# KiCad board minifoc esc.kicad_pcb
title: MUREX MINIFOC ESC; date: 2024-11-05; rev: V1.0; company: MUREX ROBOTICS [Max Liu]; note: // TECH FOR ALL; note: // THINK DIFFERENT; note: and custom microcontroller design + firmware; note: World's smallest, highest power density sensorless FOC ESC utilizing the DRV8316C
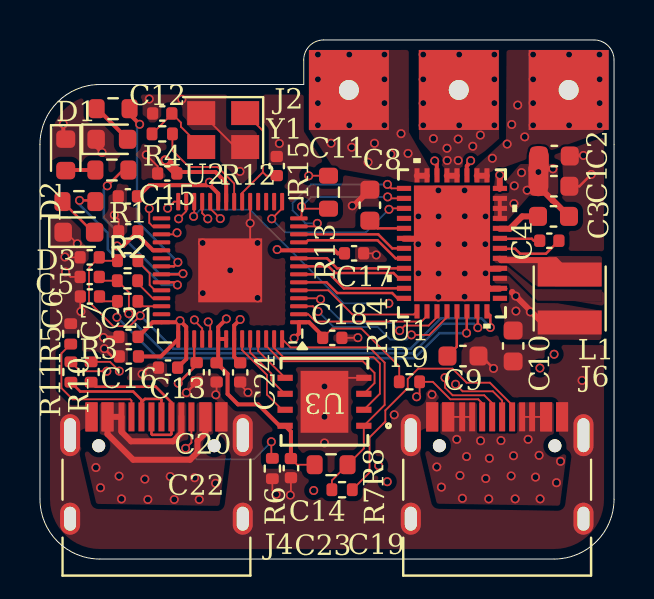
[diagram p0: board, top side]
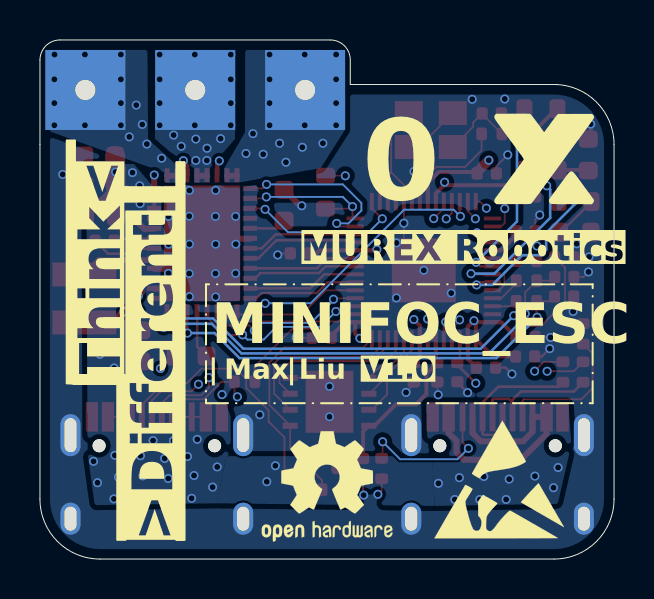
[diagram p1: board, bottom side, seen from below]

Outline 28.73 x 25.98 mm; copper layers: Top, In1.Cu, In2.Cu, Bottom. Coordinates in mm from the lower left corner of the outline.
Outline path: 0,20.75 arc(0.88,22.87) 3,23.75 13.2,23.75 13.2,24.98 arc(13.49,25.69) 14.2,25.98 27.73,25.98 arc(28.44,25.69) 28.73,24.98 28.73,3 arc(27.85,0.88) 25.73,0 3,0 arc(0.88,0.88) 0,3 0,20.75
Stack: Top 0.035mm / dielectric 0.1mm FR4 er 4.5 / In1.Cu 0.035mm / dielectric 1.24mm FR4 er 4.5 / In2.Cu 0.035mm / dielectric 0.1mm FR4 er 4.5 / Bottom 0.035mm

## Placement (name value [footprint] x y rotation side)
C1  0.1uF  [C_0603_1608Metric]  25.72 18.66 0 top
C2  10uF  [C_0603_1608Metric]  25.74 20.17 0 top
C3  1uF  [C_0603_1608Metric]  25.7 17.15 180 top
C4  47nF  [C_0402_1005Metric]  25.49 15.93 0 top
C5  30pF  [C_0402_1005Metric]  2.49 15.1 180 top
C6  30pF  [C_0402_1005Metric]  2.49 14.12 180 top
C7  30pF  [C_0402_1005Metric]  2.5 13.14 180 top
C8  1uF  [C_0603_1608Metric]  16.51 17.71 90 top
C9  1uF  [C_0603_1608Metric]  21.17 10.16 0 top
C10  22uF  [C_0603_1608Metric]  23.68 10.67 270 top
C11  27pF  [C_0402_1005Metric]  11.85 19.67 270 top
C12  27pF  [C_0402_1005Metric]  6.12 22.3 0 top
C13  1uF  [C_0402_1005Metric]  7.84 9.35 270 top
C14  1uF  [C_0402_1005Metric]  12.56 4.55 270 top
C15  0.1uF  [C_0402_1005Metric]  6.37 19.3 180 top
C16  0.1uF  [C_0402_1005Metric]  4.45 10.14 180 top
C17  0.1uF  [C_0402_1005Metric]  15.72 15.3 0 top
C18  0.1uF  [C_0402_1005Metric]  14.63 11.07 0 top
C19  0.1uF  [C_0402_1005Metric]  4.42 16.4 180 top
C20  0.1uF  [C_0402_1005Metric]  8.84 9.34 270 top
C21  1uF  [C_0402_1005Metric]  4.43 11.12 180 top
C22  1uF  [C_0402_1005Metric]  6.41 9.58 180 top
C23  0.1uF  [C_0402_1005Metric]  4.4 18.15 180 top
C24  0.1uF  [C_0402_1005Metric]  10.02 9.34 270 top
D1  LED_Small  [LED_0603_1608Metric]  3.6 21.01 0 top
D2  LED_Small  [LED_0603_1608Metric]  1.29 20.23 270 top
D3  LED_Small  [LED_0603_1608Metric]  1.95 16.36 0 top
G***  LOGO  [10x10mm_Branding]  3.53 20.08 180 bottom
J2  Conn_01x03  [ESC]  20.96 25.51 180 top
J4  USB_C_Receptacle_USB2.0_16P  [USB_C_Receptacle_HRO_TYPE-C-31-M-12]  5.83 3.07 0 top
J6  USB_C_Receptacle_USB2.0_16P  [USB_C_Receptacle_HRO_TYPE-C-31-M-12]  22.88 3.07 0 top
L1  47uH  [SMNR3012-470MT]  26.51 13.04 90 top
R1  1k  [R_0402_1005Metric]  4.39 14.93 0 top
R2  1k  [R_0402_1005Metric]  4.38 13.93 0 top
R3  1k  [R_0402_1005Metric]  4.39 12.9 0 top
R4  1k  [R_0402_1005Metric]  6.12 21.28 180 top
R5  5.1k  [R_0402_1005Metric]  1.54 11.27 270 top
R6  5.1k  [R_0402_1005Metric]  11.63 4.53 90 top
R7  1k  [R_0402_1005Metric]  15.12 3.47 0 top
R8  10k  [R_0603_1608Metric]  14.57 4.72 180 top
R9  1k  [R_0402_1005Metric]  18.49 8.87 180 top
R10  27  [R_0402_1005Metric]  2.56 9.36 270 top
R11  27  [R_0402_1005Metric]  1.55 9.36 90 top
R12  2.7k  [R_0603_1608Metric]  3.66 22.54 0 top
R13  10k  [R_0603_1608Metric]  14.44 18.36 90 top
R14  2.7k  [R_0603_1608Metric]  3.6 19.47 0 top
R15  2.7k  [R_0603_1608Metric]  1.95 17.89 0 top
REF**  -  [OSHW-Logo2_7.3x6mm_SilkScreen]  14.36 3.64 180 bottom
REF**#2  -  [ESD-Logo_6.6x6mm_SilkScreen]  5.74 4 180 bottom
U1  DRV8316CRRGFR  [VQFN40_RGF_TEX-L]  20.62 15.8 180 top
U2  RP2040  [QFN-56-1EP_7x7mm_P0.4mm_EP3.2x3.2mm]  9.52 14.45 180 top
U3  W25Q64JVXGIQ TR  [DFN_XGIQ TR_WIN]  14.24 7.87 180 top
Y1  12Mhz  [Crystal_SMD_3225-4Pin_3.2x2.5mm]  9.17 21.47 180 top

## Library data of the parts
C1-C24 = -: Description: Unpolarized capacitor, small symbol; ki_fp_filters: C_*
D1-D3 = -: Description: Light emitting diode, small symbol; ki_fp_filters: LED* LED_SMD:* LED_THT:*
J2 = -: Description: Generic connector, single row, 01x03, script generated (kicad-library-utils/schlib/autogen/connector/); ki_fp_filters: Connector*:*_1x??_*
J4 J6 = -: Datasheet: https://www.usb.org/sites/default/files/documents/usb_type-c.zip; Description: USB 2.0-only 16P Type-C Receptacle connector; ki_fp_filters: USB*C*Receptacle*
L1 = -: Description: Inductor, small symbol; ki_fp_filters: Choke_* *Coil* Inductor_* L_*
R1-R15 = -: Description: Resistor, small symbol; ki_fp_filters: R_*
U1 = -: ki_fp_filters: VQFN40_RGF_TEX VQFN40_RGF_TEX-M VQFN40_RGF_TEX-L
U2 = -: Datasheet: https://datasheets.raspberrypi.com/rp2040/rp2040-datasheet.pdf; Description: A microcontroller by Raspberry Pi; ki_fp_filters: QFN*1EP*7x7mm?P0.4mm*
U3 = -: ki_fp_filters: DFN_XGIQ TR_WIN DFN_XGIQ TR_WIN-M DFN_XGIQ TR_WIN-L
Y1 = -: Description: Four pin crystal, GND on pins 2 and 4, small symbol; ki_fp_filters: Crystal*

## Footprints (pads in the part's own frame, mm; a bottom-side part is the same pattern mirrored in y, then rotated)
C_0402_1005Metric
  rrect 0.56x0.62 smd: 1(-0.48,0) 2(0.48,0)
C_0603_1608Metric
  rrect 0.9x0.95 smd: 1(-0.775,0) 2(0.775,0)
Crystal_SMD_3225-4Pin_3.2x2.5mm
  rect 1.4x1.2 smd: 1(-1.1,-0.85) 2(1.1,-0.85) 3(1.1,0.85) 4(-1.1,0.85)
DFN_XGIQ TR_WIN
  rect 0.762x0.305 smd: 1(-1.968,1.2) 2(-1.968,0.4) 3(-1.968,-0.4) 4(-1.968,-1.2) 5(1.968,-1.2) 6(1.968,-0.4) 7(1.968,0.4) 8(1.968,1.2)
  rect 2.388x3.099 smd: 4(0,0)
ESC
  rect 4x4 hole 1: 1(-5.5,2.032) 2(0,2.032) 3(5.5,2.032)
LED_0603_1608Metric
  rrect 0.875x0.95 smd: 1(-0.787,0) 2(0.787,0)
QFN-56-1EP_7x7mm_P0.4mm_EP3.2x3.2mm
  rrect 1.29x1.29 smd: (-0.8,0.8) (-0.8,-0.8) (0.8,0.8) (0.8,-0.8)
  rrect 0.875x0.2 smd: 1(-3.438,2.6) 2(-3.438,2.2) 3(-3.438,1.8) 4(-3.438,1.4) 5(-3.438,1) 6(-3.438,0.6) 7(-3.438,0.2) 8(-3.438,-0.2) 9(-3.438,-0.6) 10(-3.438,-1) 11(-3.438,-1.4) 12(-3.438,-1.8) 13(-3.438,-2.2) 14(-3.438,-2.6) 29(3.438,-2.6) 30(3.438,-2.2) 31(3.438,-1.8) 32(3.438,-1.4) 33(3.438,-1) 34(3.438,-0.6) 35(3.438,-0.2) 36(3.438,0.2) 37(3.438,0.6) 38(3.438,1) 39(3.438,1.4) 40(3.438,1.8) 41(3.438,2.2) 42(3.438,2.6)
  rrect 0.2x0.875 smd: 15(-2.6,-3.438) 16(-2.2,-3.438) 17(-1.8,-3.438) 18(-1.4,-3.438) 19(-1,-3.438) 20(-0.6,-3.438) 21(-0.2,-3.438) 22(0.2,-3.438) 23(0.6,-3.438) 24(1,-3.438) 25(1.4,-3.438) 26(1.8,-3.438) 27(2.2,-3.438) 28(2.6,-3.438) 43(2.6,3.438) 44(2.2,3.438) 45(1.8,3.438) 46(1.4,3.438) 47(1,3.438) 48(0.6,3.438) 49(0.2,3.438) 50(-0.2,3.438) 51(-0.6,3.438) 52(-1,3.438) 53(-1.4,3.438) 54(-1.8,3.438) 55(-2.2,3.438) 56(-2.6,3.438)
  rect 3.2x3.2 smd: 57(0,0)
R_0402_1005Metric
  rrect 0.54x0.64 smd: 1(-0.51,0) 2(0.51,0)
R_0603_1608Metric
  rrect 0.8x0.95 smd: 1(-0.825,0) 2(0.825,0)
SMNR3012-470MT
  rect 1.2x3.2 smd: 1(1.2,0) 2(-1.2,0)
USB_C_Receptacle_HRO_TYPE-C-31-M-12
  round 0.65 hole 0.65 unplated: (-2.89,2.6) (2.89,2.6)
  rect 0.6x1.45 smd: A1(-3.25,4.045) A4(-2.45,4.045) A9(2.45,4.045) A12(3.25,4.045) B1(3.25,4.045) B4(2.45,4.045) B9(-2.45,4.045) B12(-3.25,4.045)
  rect 0.3x1.45 smd: A5(-1.25,4.045) A6(-0.25,4.045) A7(0.25,4.045) A8(1.25,4.045) B5(1.75,4.045) B6(0.75,4.045) B7(-0.75,4.045) B8(-1.75,4.045)
  oval 1x2.1 hole 0.6x1.7: S1(-4.32,3.13) S1(4.32,3.13)
  oval 1x1.6 hole 0.6x1.2: S1(-4.32,-1.05) S1(4.32,-1.05)
VQFN40_RGF_TEX-L
  rect 0.711x0.254 smd: 1(-2.4,2.751) 2(-2.4,2.251) 3(-2.4,1.75) 4(-2.4,1.25) 5(-2.4,0.75) 6(-2.4,0.25) 7(-2.4,-0.25) 8(-2.4,-0.75) 9(-2.4,-1.25) 10(-2.4,-1.75) 11(-2.4,-2.251) 12(-2.4,-2.751) 21(2.4,-2.751) 22(2.4,-2.251) 23(2.4,-1.75) 24(2.4,-1.25) 25(2.4,-0.75) 26(2.4,-0.25) 27(2.4,0.25) 28(2.4,0.75) 29(2.4,1.25) 30(2.4,1.75) 31(2.4,2.251) 32(2.4,2.751)
  rect 0.254x0.711 smd: 13(-1.75,-3.404) 14(-1.25,-3.404) 15(-0.75,-3.404) 16(-0.25,-3.404) 17(0.25,-3.404) 18(0.75,-3.404) 19(1.25,-3.404) 20(1.75,-3.404) 33(1.75,3.404) 34(1.25,3.404) 35(0.75,3.404) 36(0.25,3.404) 37(-0.25,3.404) 38(-0.75,3.404) 39(-1.25,3.404) 40(-1.75,3.404)
  rect 3.81x5.791 smd: 41(0,0)

## Nets
/AVDD: C8.1 U1.25
/RP2040/+1.1V: C13.1 C23.1 C24.1 U2.23 U2.45 U2.50
GND: C1.2 C2.2 C5.2 C6.2 C7.2 C8.2 C9.2 C10.2 C11.1 C12.1 C13.2 C14.2 C15.2 C16.2 C17.2 C18.2 C19.2 C20.2 C21.2 C22.2 C23.2 C24.2 D1.1 D2.1 D3.1 J4.A1 J4.A12 J4.B1 J4.B12 J4.S1 J6.A1 J6.A12 J6.B1 J6.B12 J6.S1 R5.1 R6.1 U1.2 U1.4 U1.12 U1.15 U1.18 U1.26 U1.41 U2.19 U2.57 U3.4 Y1.2 Y1.4
VCC: C1.1 C2.1 C3.1 J4.A4 J4.A8 J4.A9 J4.B4 J4.B8 J4.B9 J6.A4 J6.A5 J6.A8 J6.A9 J6.B4 J6.B5 J6.B8 J6.B9 U1.9 U1.10 U1.11
/CP: C3.2 U1.8
/CPH: C4.1 U1.7
/CPL: C4.2 U1.6
/DRVOFF: U1.21 U2.13
/FB_BK: C10.1 C14.1 C15.1 C16.1 C17.1 C18.1 C19.1 C20.1 C21.1 C22.1 L1.2 R8.2 R9.2 R13.2 U1.3 U2.1 U2.10 U2.22 U2.33 U2.42 U2.43 U2.44 U2.48 U2.49 U3.8
/INHA: U1.27 U2.12
/INHB: U1.29 U2.9
/INHC: U1.31 U2.7
/INLA: U1.28 U2.11
/INLB: U1.30 U2.8
/INLC: U1.32 U2.6
/NFAULT: R13.1 U1.22 U2.14
/NSCS: U1.36 U2.3
/NSLEEP: U1.23 U2.15
/RP2040/ADC_3: U2.41
/RP2040/LED1: R15.2 U2.37
/RP2040/LED2: R14.2 U2.36
/RP2040/LED3: R12.2 U2.35
/RP2040/PWM: U2.29
/RP2040/QSPI_CS: R7.1 R8.1 U2.56 U3.1
/RP2040/QSPI_SCLK: U2.52 U3.6
/RP2040/QSPI_SD0: U2.53 U3.5
/RP2040/QSPI_SD1: U2.55 U3.2
/RP2040/QSPI_SD2: U2.54 U3.3
/RP2040/QSPI_SD3: U2.51 U3.7
/RP2040/RUN: J6.B7 R9.1 U2.26
/RP2040/SA: R1.2 U2.38
/RP2040/SB: R2.2 U2.39
/RP2040/SC: R3.2 U2.40
/RP2040/SWCLK: U2.24
/RP2040/SWD: U2.25
/RP2040/UART0_RX: J6.A7 U2.28
/RP2040/UART0_TX: J6.A6 U2.27
/RP2040/UART1_RX: U2.31
/RP2040/UART1_TX: U2.30
/RP2040/USB_BOOT: J6.B6 R7.2
/RP2040/USB_N: J4.A7 J4.B7 R11.1
/RP2040/USB_P: J4.A6 J4.B6 R10.2
/RP2040/XIN: C11.2 U2.20 Y1.1
/RP2040/XOUT: R4.1 U2.21
/SCLK: U1.35 U2.4
/SDI: U1.34 U2.2
/SDO: U1.33 U2.5
/SOA: C5.1 R1.1 U1.40
/SOB: C6.1 R2.1 U1.39
/SOC: C7.1 R3.1 U1.38
/SW_BK: L1.1 U1.5
/VREF/ILIM: C9.1 U1.37
OUTA: J2.1 U1.13 U1.14
OUTB: J2.2 U1.16 U1.17
OUTC: J2.3 U1.19 U1.20
Net-(C12-Pad2): C12.2 R4.2 Y1.3
Net-(D1-A): D1.2 R12.1
Net-(D2-A): D2.2 R14.1
Net-(D3-A): D3.2 R15.1
Net-(J4-CC1): J4.A5 R5.2
Net-(J4-CC2): J4.B5 R6.2
Net-(U2-USB_DM): R11.2 U2.46
Net-(U2-USB_DP): R10.1 U2.47

Pads without a net: U1 1 24; U2 16 17 18 32 34

## Via types
v1: diameter 0.45, hole 0.3, Top to Bottom, 200 vias

## Routing (per net, layer and track width the routed paths; a pad name or vN(x,y) marks a point on that pad's centre or on a via; arc(x,y) is an arc through that point)
/AVDD: length 1.9
  Top w0.125: C8.1 16.89,16.55 U1.25
/RP2040/+1.1V: length 26.3
  Top w0.125: v1(6.92,8.8) 7.84,9.72 C13.1 7.72,9.95 U2.45
  Top w0.199: v1(10.02,11.99) 9.72,11.69 U2.50 9.72,10.12 C24.1 ; U2.23 8.92,18.29 8.5,18.71 5.48,18.71 4.92,18.15 C23.1 ; v1(8.48,18.86) 8.33,18.71
  In2.Cu w0.199: v1(6.92,8.8) 6.51,9.21 6.51,12.38 7.94,13.81 8.36,13.81 10.02,12.15 v1(10.02,11.99) 10.02,17.32 v1(8.48,18.86)
GND: length 39
  Top w0.09: U3.4 15.44,9.07 ; 16.51,18.48 16.53,18.46 ; C18.2 15.9,11.07 v1(15.91,11.08) ; C20.2 8.84,8.26 v1(8.8,8.22) ; v1(11.82,3.24) 11.63,3.43 R6.1 ; v1(12.53,3.2) 12.56,3.23 C14.2 ; C17.2 16.75,15.3 v1(16.83,15.22) ; C19.2 3.94,17 v1(3.72,17.22) ; 16.51,18.48 16.43,18.48 ; v1(10.41,8.34) 10.02,8.73 C24.2 ; D3.1 1.29,16.36 v1(1.87,15.78) ; U2.19 v1(10.52,16.81) 10.52,15.45 v1(9.52,14.45) ; C15.2 5.89,19.66 v1(5.32,20.23) ; v1(2.05,12.39) 2.02,12.42 C7.2 ; C6.2 1.53,14.12 v1(1.28,14.37) ; C5.2 1.27,15.1 v1(1.25,15.12) ; Y1.4 9.77,20.62 Y1.2
  Top w0.125: v1(7.33,8.33) 7.84,8.84 C13.2 ; C9.2 22.08,10.16 v1(22.7,9.54) ; C21.2 3.21,11.12 v1(3.18,11.09) ; C1.2 27,18.66 v1(27.59,19.25) ; v1(27.2,20.2) 26.54,20.2 C2.2 ; 23.34,13.53 23.01,13.53 ; C16.2 3.61,10.14 v1(3.22,10.53) ; C22.2 5.43,9.58 v1(5.11,9.26)
  Top w0.199: v1(3.11,20.35) 2.81,20.65 D1.1 ; 21.36,19.18 21.36,19.67 21.43,19.74 21.43,19.81 v1(21.55,19.94) ; D2.1 1.17,21.14 v1(1.17,21.77) ; v1(19.75,19.93) 19.86,19.82 19.86,19.18
  Top w0.3: 20.61,15.78 21.86,14.53 23.01,14.53 ; 20.61,15.78 20.61,15.43 22.51,13.53 23.01,13.53 ; 20.61,15.78 20.36,16.03 18.21,16.03 ; v1(23.01,19.22) 23.01,18.53 ; v1(15.63,17.68) 15.7,17.68 16.51,18.48
  In1.Cu w0.199: v1(18.93,15.76) 18.39,15.76
  vias: v1(5.47,23.03) v1(7.1,23.01) v1(8.14,15.82) v1(8.15,13.31) v1(10.01,19.4) v1(10.89,15.82) v1(10.89,13.07) v1(11.98,20.8) v1(14.24,8.64) v1(14.24,7.12) v1(14.24,5.81) v1(17.73,7.22) v1(18.94,17.15) v1(18.94,14.3) v1(19.62,8.23) v1(19.94,18.45) v1(19.95,17.15) v1(19.94,15.76) v1(19.95,14.29) v1(19.94,13.12) v1(21.25,18.45) v1(21.26,17.16) v1(21.25,15.76) v1(21.26,14.29) v1(21.25,13.13) v1(22.3,17.15) v1(22.29,15.76) v1(22.3,14.3) v1(27.13,8.94)
VCC: length 20.7
  Top w0.09: J6.A5 J6.A4 ; J6.A8 J6.A9
  Top w0.199: 23.01,17.03 23.01,18.03
  Top w0.3: J4.A9 8.28,6.31 7.88,5.92 7.88,5.34 7.51,4.97 4.66,4.97 3.38,6.26 J4.A4 J4.B8 4.08,6.37 4.56,5.89 6.67,5.89 7.08,6.3 J4.A8 ; C3.1 25.68,17.95 25.66,17.95 C1.1
  Top w1: 24.96,20.17 24.96,19.54 24.94,19.52 C1.1
  vias: v1(2.8,4.58) v1(3.03,3.57) v1(3.96,4.15) v1(4.08,3.01) v1(5.25,4) v1(5.4,2.98) v1(6.52,4.13) v1(6.72,2.98) v1(7.74,4.07) v1(7.97,2.98) v1(8.79,3.79) v1(13.7,3.43) v1(16.95,4.67) v1(17.38,3.87) v1(19.86,4.61) v1(20.09,3.6) v1(20.86,5.99) v1(21.02,4.18) v1(21.14,3.04) v1(21.35,5.13) v1(22.05,5.92) v1(22.31,4.03) v1(22.49,5.04) v1(22.46,3.01) v1(23.07,5.93) v1(23.58,4.16) v1(23.74,18.68) v1(23.72,17.79) v1(23.7,5.17) v1(23.78,3.01) v1(24.1,19.34) v1(24.38,18.46) v1(24.43,5.99) v1(24.8,4.1) v1(24.94,19.37) v1(25.02,9.56) v1(24.98,5.19) v1(25.03,3.01) v1(25.67,19.53) v1(25.73,10.25) v1(25.85,3.82) v1(26.05,4.89)
/CP: length 2.2
  Top w0.3: 23.01,16.53 23.51,16.53 24.13,17.15 C3.2
/CPH: length 1.7
  Top w0.125: 24.71,15.93 24.61,16.03 23.01,16.03
/CPL: length 3.3
  Top w0.125: C4.2 25.32,15.28 24.03,15.28 23.78,15.53 23.01,15.53
/DRVOFF: length 8.9
  Top w0.09: U1.21 17.59,18.55 v1(17.39,18.75) ; v1(13.88,16.8) 13.73,16.65 U2.13
  Bottom w0.09: v1(13.88,16.8) 13.29,16.8 12.64,17.45 12.64,17.82 13.57,18.75 v1(17.39,18.75)
/FB_BK: length 84.6
  Top w0.09: R8.2 12.87,4.72 C14.1 ; C18.1 14.61,11.53 16.08,11.53 17.98,9.64 R9.2 ; v1(13.45,19.18) 13.45,19.19 R13.2
  Top w0.199: v1(12.72,11.05) 12.96,11.29 U2.1 13.47,11.85 14.15,11.17 C18.1 ; U2.33 5.66,15.45 4.9,16.21 C19.1 4.17,15.67 v1(3.86,15.67) ; C17.1 14.89,15.3 14.74,15.45 U2.10 11.91,15.45 v1(11.87,15.49) ; C14.1 12.56,6.38 U3.8 11.99,6.67 10.92,7.74 9.91,7.74 9.39,8.26 9.39,9.27 C20.1 8.92,9.9 U2.48 ; U2.48 U2.49 ; U2.48 8.92,11.61 v1(9.33,12.02) ; C22.1 7.32,10.01 U2.44 7.32,11.62 v1(7.01,11.93) ; v1(7.01,11.93) 6.93,11.85 U2.42 5.64,11.85 C21.1 ; v1(7.01,11.93) 6.92,11.84 U2.43 6.05,10.14 C16.1 ; C15.1 6.92,19.37 8.78,19.37 9.32,18.83 U2.22
  Top w0.3: 23.63,13.37 23.63,13.33 25.13,11.84 L1.2
  Top w0.5: v1(6.27,19.96) 6.85,19.38 C15.1
  In2.Cu w0.5: 12.44,15.5 11.88,15.5 v1(11.87,15.49) ; 12.44,15.5 12.44,11.33 v1(12.72,11.05) ; 12.44,15.5 12.44,18.17 ; 24.45,11.72 23.07,10.34 13.43,10.34 v1(12.72,11.05) ; 9.33,11.64 9.92,11.05 v1(12.72,11.05) ; 9.33,11.64 9.33,11.88 8.59,12.62 7.46,12.62 7.01,12.17 v1(7.01,11.93) ; 9.33,11.64 v1(9.33,12.02) ; 12.44,18.17 10.09,18.17 8.69,19.57 7.32,19.57 6.93,19.96 v1(6.27,19.96) 4.82,18.51 4.82,17.27 4.83,17.26 4.83,16.64 v1(3.86,15.67) ; 12.44,18.17 v1(13.45,19.18)
  vias: v1(23.81,13.16) v1(23.82,12.41) v1(24.54,12.37)
/INHA: length 5.6
  Top w0.125: U1.27 17.63,15.55 16.93,16.25 U2.12
/INHB: length 5.5
  Top w0.125: U1.29 14.87,14.55 14.37,15.05 U2.9
/INHC: length 5.6
  Top w0.125: U2.7 14.5,14.25 15.2,13.55 U1.31
/INLA: length 5.7
  Top w0.125: U1.28 17.8,15.05 16.89,15.95 13.41,15.95 13.31,15.85 U2.11
/INLB: length 5.5
  Top w0.125: U2.8 14.44,14.65 14.77,14.31 17.69,14.31 17.96,14.05 U1.30
/INLC: length 5.6
  Top w0.125: U2.6 14.34,13.85 14.87,13.31 17.63,13.31 17.89,13.05 U1.32
/NFAULT: length 7.4
  Top w0.09: v1(17.4,18.13) 17.47,18.05 U1.22 ; U2.14 13.09,17.18 v1(13.09,17.64) 13.19,17.53 R13.1
  Bottom w0.09: v1(17.4,18.13) 13.57,18.13 ; 13.57,18.13 13.55,18.1 ; 13.57,18.13 v1(13.09,17.64)
/NSCS: length 8.9
  Top w0.09: U1.36 20.37,12.1 19.48,11.22 v1(18.59,11.22) ; v1(13.92,12.39) 13.66,12.65 U2.3
  Bottom w0.09: v1(13.92,12.39) 14.69,11.62 16.9,11.62 17.53,10.98 18.35,10.98 v1(18.59,11.22)
/NSLEEP: length 8.5
  Top w0.09: v1(17.46,17.5) 17.51,17.55 U1.23 ; U2.15 12.12,17.55 v1(11.6,17.03)
  Bottom w0.09: v1(17.46,17.5) 16.32,16.36 12.27,16.36 v1(11.6,17.03)
/RP2040/LED1: length 8.9
  Top w0.125: v1(1.98,17.95) 2.71,17.95 R15.2 ; v1(6.88,13.72) 6.75,13.85 U2.37
  Bottom w0.125: v1(6.88,13.72) 6.09,13.72 4.6,15.21 3.67,15.21 3.4,15.48 3.4,16.32 1.98,17.74 v1(1.98,17.95)
/RP2040/LED2: length 9.3
  Top w0.125: R14.2 4.16,19.47 v1(3.37,18.68) ; U2.36 7.13,14.25 v1(7.16,14.28)
  Bottom w0.125: v1(3.37,18.68) 3.2,18.51 3.2,17.07 5.99,14.28 v1(7.16,14.28)
/RP2040/LED3: length 9.7
  Top w0.125: U2.35 6.7,14.65 v1(6.9,14.85)
  Top w0.199: v1(4.99,21.76) 4.48,22.27 R12.2
  Bottom w0.125: v1(6.9,14.85) 4.86,16.9 4.86,21.63 v1(4.99,21.76)
/RP2040/QSPI_CS: length 13.1
  Top w0.09: U2.56 12.54,10.59 16.49,10.59 17.25,9.83 17.25,7.71 U3.1 16.21,5.53 R8.1 14.61,3.94 R7.1
/RP2040/QSPI_SCLK: length 3.5
  Top w0.09: U3.6 12.25,8.27 11.58,8.94 11.58,9.28 10.52,10.34 U2.52
/RP2040/QSPI_SD0: length 2.5
  Top w0.09: U2.53 10.92,10.42 U3.5
/RP2040/QSPI_SD1: length 8.7
  Top w0.09: U2.55 11.72,10.57 12.18,10.11 16.69,10.11 17.01,9.79 17.01,8.27 U3.2
/RP2040/QSPI_SD2: length 7.6
  Top w0.09: U3.3 16.74,8.81 16.74,9.32 16.16,9.9 12.09,9.9 11.32,10.67 U2.54
/RP2040/QSPI_SD3: length 4.5
  Top w0.09: U3.7 12.12,7.47 11.36,8.23 11.36,9.22 10.12,10.46 U2.51
/RP2040/RUN: length 23.2
  Top w0.09: v1(18.85,8.12) 19,8.27 R9.1 19.66,8.87 20.53,8 21.93,8 22.13,7.8 J6.B7 ; U2.26 7.72,17.18 v1(7.69,17.15)
  In1.Cu w0.09: v1(18.85,8.12) 19.03,8.3 19.03,11.48 17.71,12.8 v1(17.46,12.8)
  Bottom w0.09: v1(7.69,17.15) 8.02,17.48 10.5,17.48 15.19,12.8 v1(17.46,12.8)
/RP2040/SA: length 2.2
  Top w0.09: U2.38 5.75,13.45 5.49,13.71 5.49,14.3 4.9,14.89 R1.2
/RP2040/SB: length 1.6
  Top w0.09: U2.39 5.64,13.05 4.89,13.81 R2.2
/RP2040/SC: length 1.3
  Top w0.09: U2.40 5.15,12.65 R3.2
/RP2040/SWCLK: length 1.1
  Top w0.09: U2.24 8.52,17.54 v1(9.02,17.04)
/RP2040/SWD: length 1
  Top w0.09: U2.25 8.12,17.31 v1(8.4,17.03)
/RP2040/UART0_RX: length 29.1
  Top w0.09: v1(6.39,17.56) 6.72,17.89 U2.28 ; v1(20.8,8.75) 21.15,8.39 22.66,8.39 23.13,7.93 J6.A7
  In2.Cu w0.09: v1(20.8,8.75) 20.69,8.64 19.88,8.64 19.66,8.86 17.34,8.86 16.05,7.58 7.17,7.58 6.02,8.72 6.02,17.19 v1(6.39,17.56)
/RP2040/UART0_TX: length 28.4
  Top w0.09: v1(6.94,17.03) 7.32,17.41 U2.27 ; v1(20.27,9.08) 20.27,8.58 20.65,8.2 22.23,8.2 22.63,7.8 J6.A6
  In2.Cu w0.09: v1(6.94,17.03) 6.93,17.03 6.22,16.32 6.22,8.81 7.25,7.78 15.97,7.78 17.26,9.06 20.25,9.06 v1(20.27,9.08)
/RP2040/UART1_RX: length 0.8
  Top w0.09: U2.31 6.78,16.25 v1(6.86,16.33)
/RP2040/UART1_TX: length 1.4
  Top w0.09: U2.30 5.64,16.65 5.47,16.83 v1(5.47,17.54)
/RP2040/USB_BOOT: length 13.6
  Top w0.09: 17.28,6.88 17.17,6.76 ; 17.28,6.88 17.28,7.44 18.4,8.56 18.4,9.01 18.92,9.53 20.64,9.53 21.35,8.83 22.51,8.83 23.63,7.71 J6.B6 ; 17.28,6.88 16.49,6.09 16.49,4.34 R7.2
/RP2040/USB_N: length 7.4
  Top w0.13: J4.A7 6.08,7.97 6.03,8.02 5.25,8.02 5.08,7.84 J4.B7 5.08,7.97 4.66,8.39 2.01,8.39 R11.1
/RP2040/USB_P: length 7.9
  Top w0.13: R10.2 2.78,8.62 5.79,8.62 6.58,7.84 J4.B6 6.58,6.26 6.53,6.22 5.62,6.22 5.58,6.26 J4.A6
/RP2040/XIN: length 6
  Top w0.09: 11.15,19.36 10.12,18.33 U2.20 ; 11.15,19.36 11.15,21.44 Y1.1 ; 11.15,19.36 11.32,19.19 C11.2
/RP2040/XOUT: length 5.5
  Top w0.09: R4.1 6.63,20.45 7.45,19.62 8.89,19.62 9.72,18.79 U2.21
/SCLK: length 8.2
  Top w0.09: U1.35 19.87,12.1 19.45,11.69 18.25,11.69 v1(18,11.43) ; U2.4 13.99,13.05 v1(14.04,13)
  Bottom w0.09: v1(18,11.43) 17.61,11.82 15.17,11.82 14.04,12.95 v1(14.04,13)
/SDI: length 6.9
  Top w0.09: U2.2 13.43,12.25 13.79,11.89 19.09,11.89 19.37,12.17 U1.34
/SDO: length 6.5
  Top w0.09: U1.33 18.71,12.24 15.64,12.24 14.43,13.45 U2.5
/SOA: length 26.6
  Top w0.09: v1(5.02,12.18) 4.5,11.66 3.67,11.66 2.45,12.87 2.45,14.59 C5.1 3.14,14.93 R1.1
  Top w0.125: v1(22.54,11.59) 22.54,12.2 22.36,12.38
  Bottom w0.125: v1(5.02,12.18) 6.67,10.53 18.55,10.53 20.06,12.04 22.1,12.04 22.54,11.61 v1(22.54,11.59)
/SOB: length 22.8
  Top w0.09: v1(4.45,12.28) 4.45,13.35 R2.1 3.16,13.93 C6.1
  Top w0.125: 21.86,12.38 21.86,12.15 21.91,12.09 v1(21.91,11.58)
  Bottom w0.125: v1(4.45,12.28) 4.45,12.1 6.25,10.29 18.65,10.29 20.13,11.77 21.72,11.77 v1(21.91,11.58)
/SOC: length 21.7
  Top w0.09: v1(3.85,12.1) 3.88,12.13 R3.1 3.22,12.9 C7.1
  Top w0.125: v1(21.35,11.31) 21.36,11.32 21.36,12.38
  Bottom w0.125: v1(21.35,11.31) 20,11.31 18.74,10.06 5.89,10.06 v1(3.85,12.1)
/SW_BK: length 3.8
  Top w0.3: 23.01,15.03 23.08,14.96 25.79,14.96 L1.1
/VREF/ILIM: length 2.4
  Top w0.125: 20.86,12.38 20.86,10.63 C9.1
OUTA: length 0.5
  Top w0.3: 21.86,19.18 22.36,19.18
  vias: v1(22.64,20.06) v1(23.38,20.77) v1(23.61,21.75) v1(23.91,22.72) v1(24.26,21.13) v1(24.68,25.25) v1(24.68,24.01) v1(24.68,22.82) v1(24.68,21.71) v1(26.48,25.25) v1(26.48,21.71) v1(28,25.25) v1(28.01,24.01) v1(28.01,22.82) v1(28.01,21.71)
OUTB: length 0.5
  Top w0.3: 20.36,19.18 20.86,19.18
  vias: v1(19.18,25.25) v1(19.18,24.01) v1(19.18,22.82) v1(19.18,21.71) v1(19.69,21.04) v1(20.37,20.56) v1(20.38,19.95) v1(20.93,21.02) v1(20.93,19.95) v1(20.98,25.25) v1(20.98,21.71) v1(21.66,20.66) v1(22.04,21.22) v1(22.74,25.25) v1(22.74,24.01) v1(22.74,22.82) v1(22.74,21.71)
OUTC: length 0.5
  Top w0.3: 19.36,19.18 18.86,19.18
  vias: v1(13.91,25.25) v1(13.91,24.01) v1(13.91,22.82) v1(13.91,21.71) v1(14.57,20.81) v1(15.48,25.25) v1(15.48,21.71) v1(15.6,20.61) v1(16.42,19.86) v1(16.74,20.81) v1(17.24,25.25) v1(17.24,24.01) v1(17.24,22.82) v1(17.24,21.71) v1(17.56,20.26) v1(18.07,21.29) v1(18.42,20.3)
Net-(C12-Pad2): length 3.7
  Top w0.09: R4.2 6.6,22.27 C12.2 7.05,21.84 7.05,21.64 Y1.3
Net-(D1-A): length 2.2
  Top w0.199: D1.2 4.39,21.02 2.87,22.54 2.83,22.54
Net-(D2-A): length 1.5
  Top w0.199: D2.2 1.32,19.47 R14.1
Net-(D3-A): length 2.2
  Top w0.125: D3.2 2.65,16.36 R15.1
Net-(J4-CC1): length 7
  Top w0.09: R5.2 1.07,10.3 1.07,8.56 1.63,8 4.51,8 4.58,7.93 J4.A5
Net-(J4-CC2): length 7.4
  Top w0.09: R6.2 11.58,5.09 v1(11.58,5.87) ; v1(7.29,5.54) 7.58,5.83 J4.B5
  Bottom w0.09: v1(11.58,5.87) 10.7,5 7.83,5 v1(7.29,5.54)
Net-(U2-USB_DM): length 8.8
  Top w0.09: v1(7.73,11.97) 7.73,11.93 8.12,11.54 U2.46 ; v1(3.35,9.4) 2.02,9.4 R11.2
  In1.Cu w0.09: v1(7.73,11.97) 7.73,11.56 6.07,9.91 3.84,9.91 3.35,9.41 v1(3.35,9.4)
Net-(U2-USB_DP): length 8
  Top w0.09: R10.1 3.51,9.87 v1(3.97,9.4) ; v1(8.42,11.87) 8.52,11.77 U2.47
  In1.Cu w0.09: v1(8.42,11.87) 6.25,9.7 4.27,9.7 v1(3.97,9.4)

## Copper pours and planes (outline as drawn; the poured copper is in the pictures)
GND on Top, Bottom, In1.Cu, In2.Cu: -8.12,32.73 38.51,30.82 37.78,-10.47 -9.76,-10.08
GND on Top, In2.Cu: 23.37,14.68 24.8,13.51 28.12,13.48 28.12,12.9 24.9,12.93 23.38,14.42 22.5,14.42 22.49,14.69
VCC on Top: 26.02,2.67 19.86,2.77 19.18,5.71 19.32,7.84 26.44,7.85 26.37,5.37
VCC on Top, Bottom, In1.Cu: 8.98,2.66 2.82,2.76 2.14,5.7 2.28,7.83 9.4,7.84 9.33,5.36
VCC on Top, In1.Cu, In2.Cu: 22.65,18.16 22.65,16.9 23.37,16.9 24.48,18.18 25.97,18.23 25.89,19.78 24.03,19.77
VCC on Bottom, In1.Cu: 8.98,2.66 19.88,2.79 19.4,5.15 9.1,5.15
VCC on Bottom, In1.Cu: 19.19,7.14 19.19,5.69 19.88,2.79 25.99,2.7 26.36,5.38 26.35,6.71 26.41,19.78 24.03,19.77 22.65,18.16 22.65,16.9
/FB_BK on Top, In2.Cu: 23.7,14.17 24.88,12.98 28.12,12.42 28.09,10.96 23.21,11 23.23,12 22.65,13.9 22.66,14.18
/SW_BK on Top: 28.12,14.84 28.11,13.63 24.91,13.64 23.36,14.56 22.66,14.9 22.67,15.18 28.14,15.16
OUTA on Top, Bottom, In2.Cu: 21.73,18.84 21.73,19.56 23.32,21.02 23.35,25.49 28.47,25.48 28.45,21.48 22.51,19.35 22.51,18.83
OUTB on Top, Bottom, In2.Cu: 20.23,18.85 20.23,19.57 18.97,21.02 18.97,25.48 22.96,25.48 22.97,21.47 22.98,21.04 22.26,20.41 21.01,19.56 21.01,18.84
OUTC on Top, Bottom, In2.Cu: 18.73,18.85 14.68,19.57 13.46,21.49 13.46,25.47 18.46,25.48 18.46,22.57 18.47,21.36 19.51,19.56 19.51,18.84

## Text on the board
B.Silkscreen: V1.0 | |       | | Max Liu | MUREX Robotics | MINIFOC_ESC | >Different | Think< | 0
